# KiCad board pcb.kicad_pcb
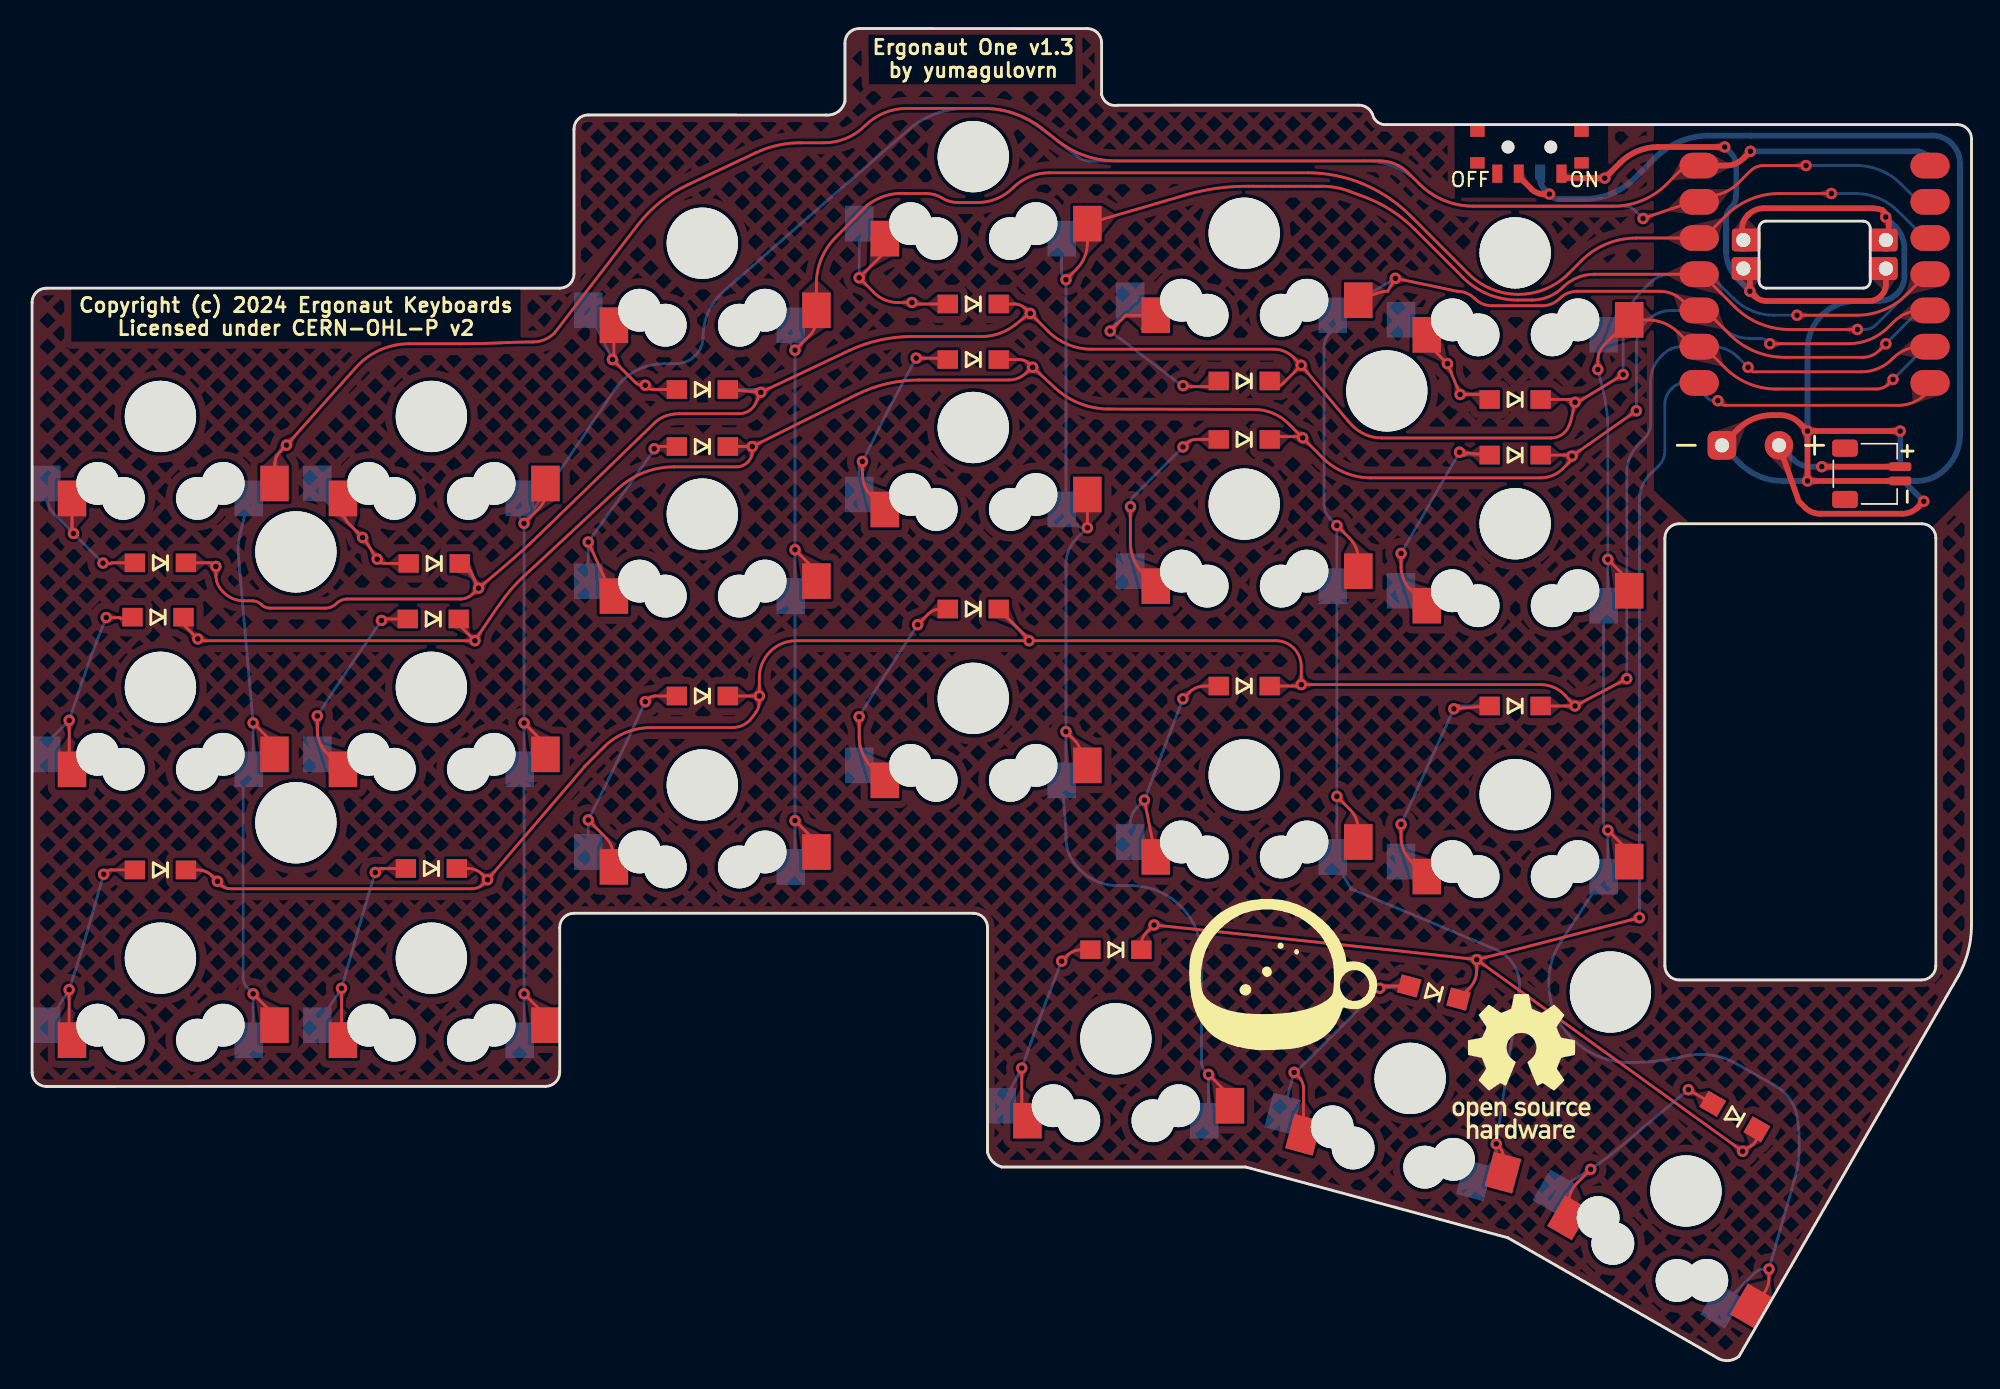
[diagram p0: board, top side]
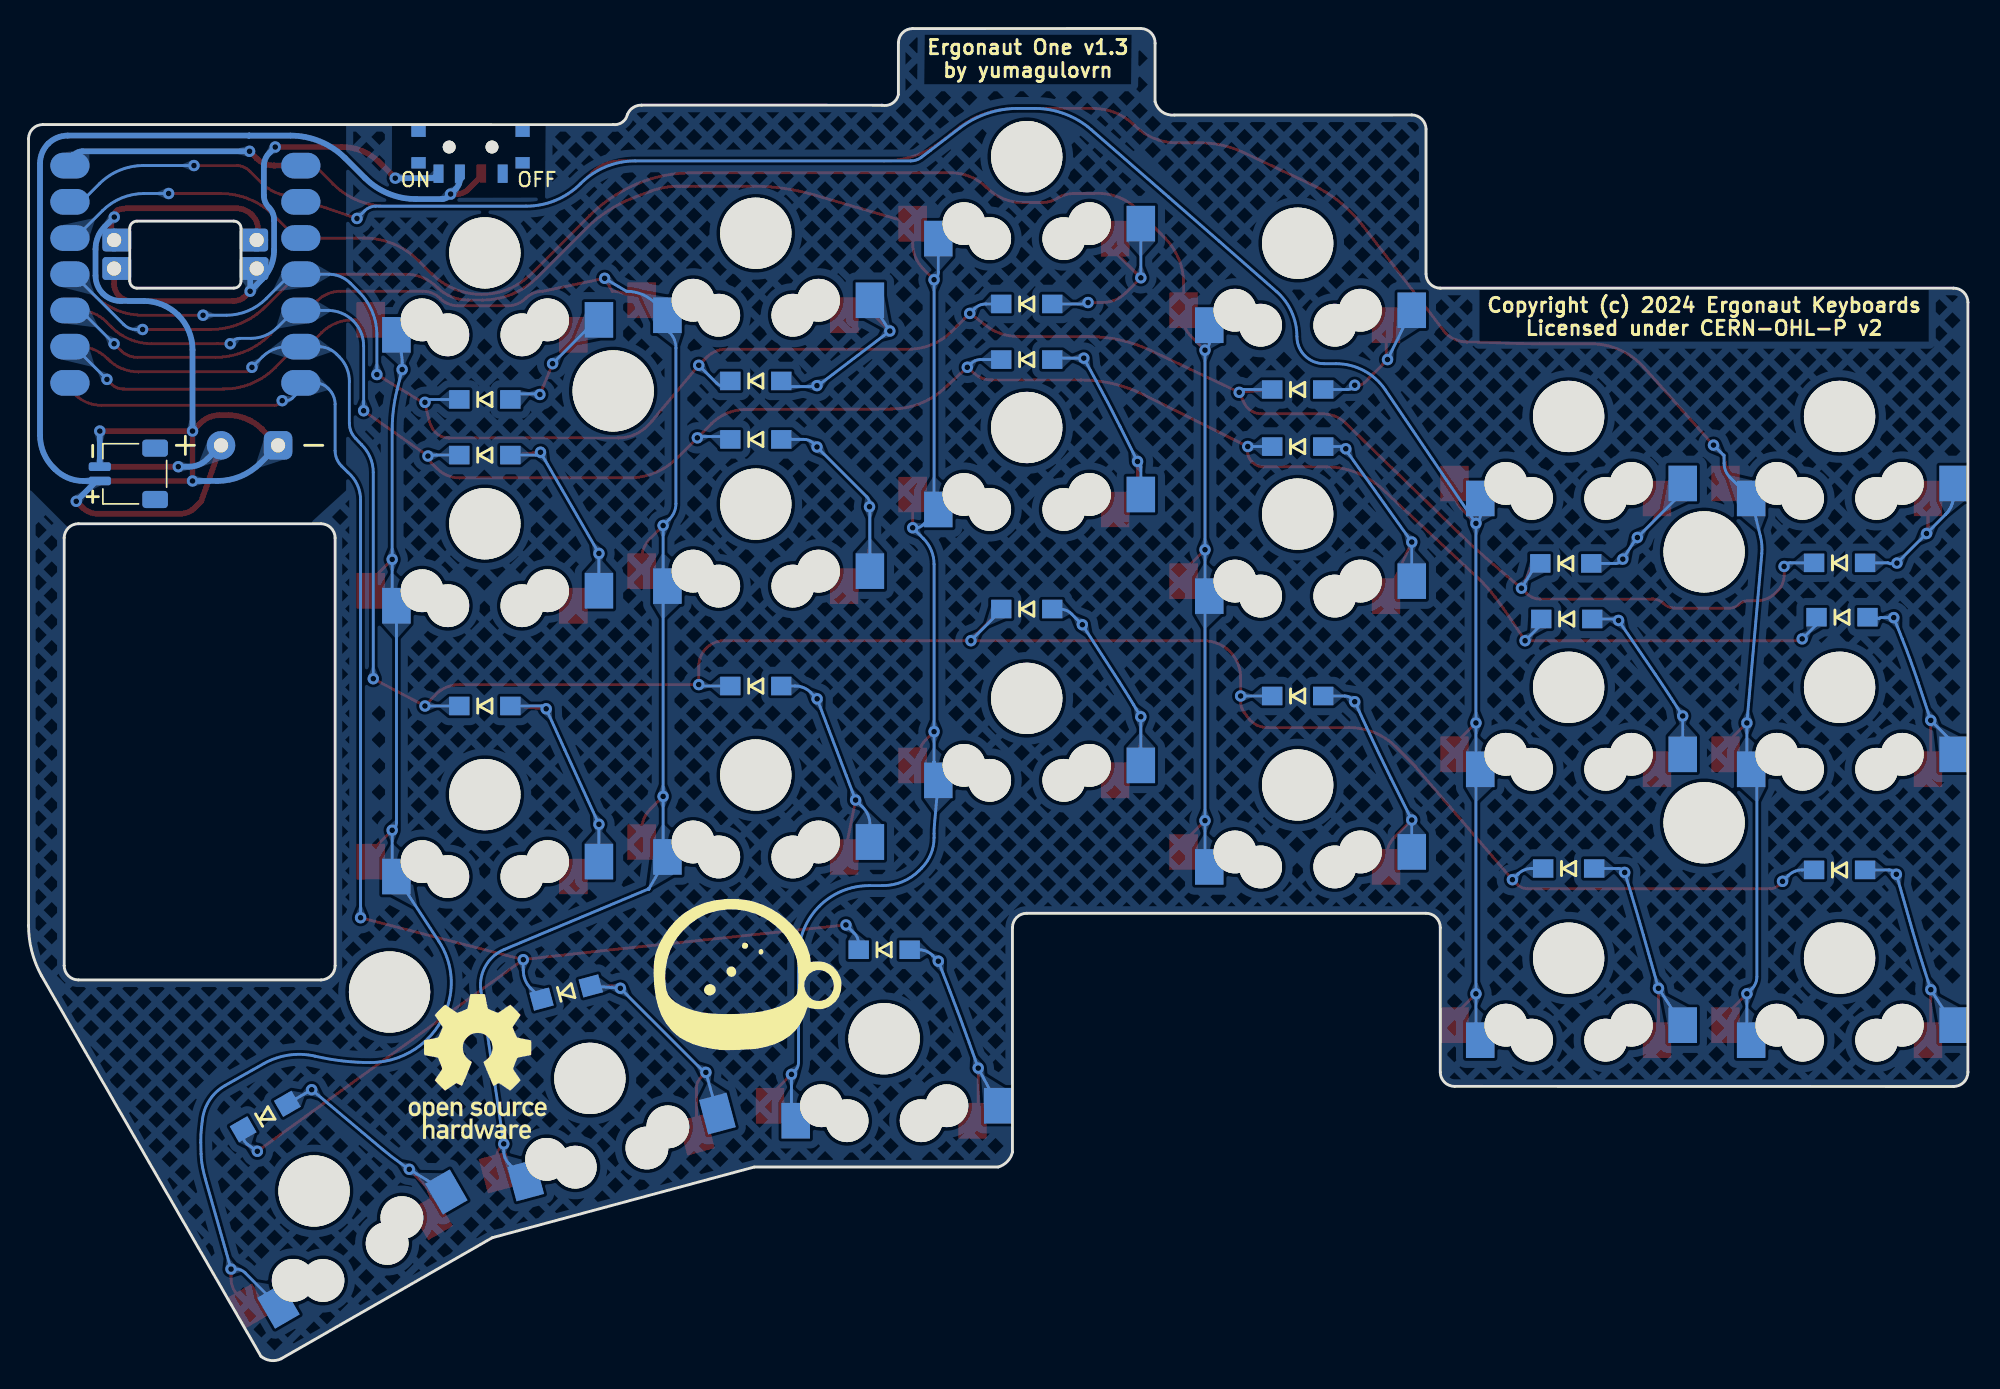
[diagram p1: board, bottom side, seen from below]

Outline 136 x 93.43 mm; copper layers: Top, Bottom. Coordinates in mm from the lower left corner of the outline.
Outline path: 0,74.22 arc(0.29,74.93) 1,75.22 37,75.22 arc(37.71,75.51) 38,76.22 38,86.37 arc(38.29,87.08) 39,87.37 55.66,87.36 arc(56.51,87.59) 57,88.3 57,92.4 arc(57.28,93.13) 58,93.43 74,93.43 arc(74.71,93.14) 75,92.43 75,88.8 arc(75.42,88.19) 76.15,88.05 93,88.06 arc(93.6,87.89) 94,87.41 arc(94.37,86.86) 95.01,86.69 135,86.69 arc(135.71,86.4) 136,85.69 136,30.51 arc(135.77,28.7) 135.1,27.01 119.7,0.29 arc(119.03,0) 118.3,0.11 103.48,8.61 85.1,13.57 68,13.57 arc(67.36,13.96) 67,14.61 67,30.37 arc(66.71,31.08) 66,31.37 38,31.37 arc(37.29,31.08) 37,30.37 37,20.23 arc(36.71,19.52) 36,19.23 1,19.22 arc(0.29,19.51) 0,20.22 0,74.22 ; 114.5,57.69 arc(114.79,58.4) 115.5,58.69 132.5,58.69 arc(133.21,58.4) 133.5,57.69 133.5,27.69 arc(133.21,26.99) 132.5,26.69 115.5,26.69 arc(114.79,26.99) 114.5,27.69 114.5,57.69 ; 121.1,79.42 arc(121.25,79.77) 121.6,79.92 128.4,79.92 arc(128.75,79.77) 128.9,79.42 128.9,75.72 arc(128.75,75.37) 128.4,75.22 121.6,75.22 arc(121.25,75.37) 121.1,75.72 121.1,79.42
Stack: Top 0.035mm / dielectric 1.51mm FR4 er 4.5 / Bottom 0.035mm

## Placement (name value [footprint] x y rotation side)
D1  D_Small  [Diode_TH_SMD_DUAL]  9 55.95 180 bottom
D2  D_Small  [Diode_TH_SMD_DUAL]  28.2 55.91 180 bottom
D3  D_Small  [Diode_TH_SMD_DUAL]  47 68.11 180 bottom
D4  D_Small  [Diode_TH_SMD_DUAL]  66 74.11 180 bottom
D5  D_Small  [Diode_TH_SMD_DUAL]  85 68.71 180 bottom
D6  D_Small  [Diode_TH_SMD_DUAL]  104 67.41 180 bottom
D7  D_Small  [Diode_TH_SMD_DUAL]  8.83 52.14 180 bottom
D8  D_Small  [Diode_TH_SMD_DUAL]  28.13 52.01 180 bottom
D9  D_Small  [Diode_TH_SMD_DUAL]  47 64.11 180 bottom
D10  D_Small  [Diode_TH_SMD_DUAL]  66 70.21 180 bottom
D11  D_Small  [Diode_TH_SMD_DUAL]  85 64.61 180 bottom
D12  D_Small  [Diode_TH_SMD_DUAL]  104 63.51 180 bottom
D13  D_Small  [Diode_TH_SMD_DUAL]  9 34.41 180 bottom
D14  D_Small  [Diode_TH_SMD_DUAL]  28 34.51 180 bottom
D15  D_Small  [Diode_TH_SMD_DUAL]  47 46.61 180 bottom
D16  D_Small  [Diode_TH_SMD_DUAL]  66 52.71 180 bottom
D17  D_Small  [Diode_TH_SMD_DUAL]  85 47.31 180 bottom
D18  D_Small  [Diode_TH_SMD_DUAL]  104 45.91 180 bottom
D19  D_Small  [Diode_TH_SMD_DUAL]  76 28.81 180 bottom
D20  D_Small  [Diode_TH_SMD_DUAL]  98.3 25.81 165 bottom
D21  D_Small  [Diode_TH_SMD_DUAL]  119.4 17.11 150 bottom
G***  LOGO  [OSHW-logo]  104.44 20.62 0 top
G***#2  LOGO  [en_logo]  86.65 27.31 0 top
G***#3  LOGO  [OSHW-logo]  104.51 20.62 180 bottom
H1  MountingHole  [Hole_5.7mm]  18.5 56.72 0 top
H2  MountingHole  [Hole_5.7mm]  18.5 37.72 0 top
H3  MountingHole  [Hole_5.7mm]  95 68.01 0 top
H4  MountingHole  [Hole_5.7mm]  110.68 25.85 0 top
J1  Conn_01x02_Pin  [Battery]  120.5 64.19 180 top
J2  BAT  [JST_SH_Battery_DUAL]  129 62.19 270 top
PWR1  SW_SPDT  [MSK-12C02_DUAL]  105 86.39 180 bottom
SW1  SW_SPST  [KS-27_KS-33_Hotswap_1U_DUAL]  9 66.22 0 top
SW2  SW_SPST  [KS-27_KS-33_Hotswap_1U_DUAL]  28 66.22 0 top
SW3  SW_SPST  [KS-27_KS-33_Hotswap_1U_DUAL]  47 78.37 0 top
SW4  SW_SPST  [KS-27_KS-33_Hotswap_1U_DUAL]  66 84.44 0 top
SW5  SW_SPST  [KS-27_KS-33_Hotswap_1U_DUAL]  85 79.07 0 top
SW6  SW_SPST  [KS-27_KS-33_Hotswap_1U_DUAL]  104 77.69 0 top
SW7  SW_SPST  [KS-27_KS-33_Hotswap_1U_DUAL]  9 47.22 0 top
SW8  SW_SPST  [KS-27_KS-33_Hotswap_1U_DUAL]  28 47.22 0 top
SW9  SW_SPST  [KS-27_KS-33_Hotswap_1U_DUAL]  47 59.37 0 top
SW10  SW_SPST  [KS-27_KS-33_Hotswap_1U_DUAL]  66 65.44 0 top
SW11  SW_SPST  [KS-27_KS-33_Hotswap_1U_DUAL]  85 60.07 0 top
SW12  SW_SPST  [KS-27_KS-33_Hotswap_1U_DUAL]  104 58.69 0 top
SW13  SW_SPST  [KS-27_KS-33_Hotswap_1U_DUAL]  9 28.22 0 top
SW14  SW_SPST  [KS-27_KS-33_Hotswap_1U_DUAL]  28 28.22 0 top
SW15  SW_SPST  [KS-27_KS-33_Hotswap_1U_DUAL]  47 40.37 0 top
SW16  SW_SPST  [KS-27_KS-33_Hotswap_1U_DUAL]  66 46.44 0 top
SW17  SW_SPST  [KS-27_KS-33_Hotswap_1U_DUAL]  85 41.07 0 top
SW18  SW_SPST  [KS-27_KS-33_Hotswap_1U_DUAL]  104 39.69 0 top
SW19  SW_SPST  [KS-27_KS-33_Hotswap_1U_DUAL]  76 22.57 0 top
SW20  SW_SPST  [KS-27_KS-33_Hotswap_1U_DUAL]  96.64 19.79 345 top
SW21  SW_SPST  [KS-27_KS-33_Hotswap_1U_DUAL]  115.98 11.89 330 top
U1  XIAO_nRF52840  [XIAO_nRF52840_DUAL]  125 86.69 180 bottom

## Library data of the parts
D1-D21 = -: Description: Diode, small symbol; Sim.Device: D; Sim.Pins: 1=K 2=A; ki_fp_filters: TO-???* *_Diode_* *SingleDiode* D_*
H1-H4 = -: Description: Mounting Hole without connection; ki_fp_filters: MountingHole*
J1 J2 = -: Description: Generic connector, single row, 01x02, script generated; ki_fp_filters: Connector*:*_1x??_*
PWR1 = -: Description: Switch, single pole double throw
SW1-SW21 = -: Description: Single Pole Single Throw (SPST) switch

## Footprints (pads in the part's own frame, mm; a bottom-side part is the same pattern mirrored in y, then rotated)
Battery
  round 2 hole 1: 1(-2,0)
  rrect 2x2 hole 1: 2(2,0)
Diode_TH_SMD_DUAL
  rect 1.425x1.3 smd far side: 1(-1.788,0) 2(1.788,0)
  rect 1.425x1.3 smd: 1(-1.788,0) 2(1.788,0)
Hole_5.7mm
  round 5.7 hole 5.7 unplated: (0,0)
JST_SH_Battery_DUAL
  rrect 0.6x1.55 smd: 1(-0.5,2) 2(0.5,2)
  rrect 0.6x1.55 smd far side: 1(0.5,2) 2(-0.5,2)
  rrect 1.2x1.8 smd: MP(-1.8,-1.875) MP(1.8,-1.875)
  rrect 1.2x1.8 smd far side: MP(-1.8,-1.875) MP(1.8,-1.875)
KS-27_KS-33_Hotswap_1U_DUAL
  round 3 hole 3 unplated: (-4.4,-4.7) (-2.6,-5.75) (2.6,-5.75) (4.4,-4.7)
  round 5 hole 5 unplated: (0,0)
  rect 2x2.5 smd far side: 1(-8,-4.7) 2(6.2,-5.75)
  rect 2x2.5 smd: 1(-6.2,-5.75) 2(8,-4.7)
MSK-12C02_DUAL
  rect 1x0.8 smd far side: (-3.65,-2.38) (-3.65,-0.16) (3.65,-2.38) (3.65,-0.16)
  rect 1x0.8 smd: (-3.65,-2.38) (-3.65,-0.16) (3.65,-2.38) (3.65,-0.16)
  round 0.9 hole 0.9 unplated: (-1.5,-1.27) (1.5,-1.27)
  rect 0.7x1.28 smd far side: 1(-2.25,-3.14) 3(2.25,-3.14)
  rect 0.7x1.28 smd: 1(-2.25,-3.14) 3(2.25,-3.14)
  rrect 0.7x1.28 smd: 2(-0.75,-3.14)
  rrect 0.7x1.28 smd far side: 2(0.75,-3.14)
XIAO_nRF52840_DUAL
  oval 2.75x1.8 smd: 1(-8.57,-2.88) 2(-8.57,-5.42) 3(-8.57,-7.96) 4(-8.57,-10.5) 5(-8.57,-13.04) 6(-8.57,-15.58) 7(-8.57,-18.12) 8(8.57,-18.12) 9(8.57,-15.58) 10(8.57,-13.04) 11(8.57,-10.5) 12(8.57,-7.96) 13(8.57,-5.42) 14(8.57,-2.88)
  oval 2.75x1.8 smd far side: 1(8.57,-2.88) 2(8.57,-5.42) 3(8.57,-7.96) 4(8.57,-10.5) 5(8.57,-13.04) 6(8.57,-15.58) 7(8.57,-18.12) 8(-8.57,-18.12) 9(-8.57,-15.58) 10(-8.57,-13.04) 11(-8.57,-10.5) 12(-8.57,-7.96) 13(-8.57,-5.42) 14(-8.57,-2.88)
  round 1.6 hole 1: 19(-5,-10.1) 19(5,-10.1) 20(-5,-8.1) 20(5,-8.1)
  rrect 2.019x1.6 smd far side: 19(-4.809,-10.1) 19(4.809,-10.1) 20(-4.809,-8.1)
  rrect 2.019x1.6 smd: 19(-4.809,-10.1) 19(4.809,-10.1) 20(-4.809,-8.1)
  rrect 2x1.6 smd far side: 20(4.8,-8.1)
  rrect 2x1.6 smd: 20(4.8,-8.1)

## Nets
+3V3: U1.12
+5V: U1.14
GND: U1.13
B+: PWR1.1 U1.19
B-: J1.2 J2.2 U1.20
C0: SW1.2 SW7.2 SW13.2 U1.1
C1: SW2.2 SW8.2 SW14.2 U1.2
C2: SW3.2 SW9.2 SW15.2 U1.3
C3: SW4.2 SW10.2 SW16.2 SW19.2 U1.4
C4: SW5.2 SW11.2 SW17.2 SW20.2 U1.5
C5: SW6.2 SW12.2 SW18.2 SW21.2 U1.6
R0: D1.1 D2.1 D3.1 D4.1 D5.1 D6.1 U1.11
R1: D7.1 D8.1 D9.1 D10.1 D11.1 D12.1 U1.10
R2: D13.1 D14.1 D15.1 D16.1 D17.1 D18.1 U1.9
R3: D19.1 D20.1 D21.1 U1.8
Net-(D1-A): D1.2 SW1.1
Net-(D2-A): D2.2 SW2.1
Net-(D3-A): D3.2 SW3.1
Net-(D4-A): D4.2 SW4.1
Net-(D5-A): D5.2 SW5.1
Net-(D6-A): D6.2 SW6.1
Net-(D7-A): D7.2 SW7.1
Net-(D8-A): D8.2 SW8.1
Net-(D9-A): D9.2 SW9.1
Net-(D10-A): D10.2 SW10.1
Net-(D11-A): D11.2 SW11.1
Net-(D12-A): D12.2 SW12.1
Net-(D13-A): D13.2 SW13.1
Net-(D14-A): D14.2 SW14.1
Net-(D15-A): D15.2 SW15.1
Net-(D16-A): D16.2 SW16.1
Net-(D17-A): D17.2 SW17.1
Net-(D18-A): D18.2 SW18.1
Net-(D19-A): D19.2 SW19.1
Net-(D20-A): D20.2 SW20.1
Net-(D21-A): D21.2 SW21.1
Net-(J1-Pin_1): J1.1 J2.1 PWR1.2

Pads without a net: J2 MP; PWR1 3; U1 7

## Via types
v1: diameter 0.8, hole 0.4, Top to Bottom, 109 vias

## Routing (per net, layer and track width the routed paths; a pad name or vN(x,y) marks a point on that pad's centre or on a via; arc(x,y) is an arc through that point)
B+: length 40
  Top w0.4: 120.46,76.13 v1(120.46,75) 120.8,74.66 arc(121.18,74.41) 121.62,74.32 128.81,74.32 arc(129.26,74.41) 129.65,74.67 arc(129.91,75.06) 130,75.51 130,76.2 ; PWR1.1 107.41,83.09 arc(107.58,82.98) 107.79,82.94 v1(110.28,82.94) 111.38,84.03 arc(112.59,84.84) 114.01,85.12 v1(118.7,85.12)
  Bottom w0.4: v1(110.28,82.94) 107.79,82.94 arc(107.58,82.98) 107.41,83.09 PWR1.1 ; 120.46,76.13 v1(120.46,75) 119.62,75.84 arc(119,76.77) 118.78,77.87 118.78,80.01 arc(118.87,80.48) 119.14,80.88 arc(119.41,81.28) 119.5,81.75 119.5,83.75 arc(119.4,84.28) 119.1,84.72 v1(118.7,85.12)
B-: length 66.8
  Top w0.4: v1(124.5,65.19) v1(124.5,61.69) J2.2 ; v1(124.5,65.19) v1(131,65.19) ; v1(124.5,65.19) 123.94,65.75 arc(123.32,66.17) 122.59,66.31 122,66.31 arc(120.72,66.06) 119.64,65.33 J1.2 ; 119.9,78.72 119.9,79.32 arc(120.01,79.87) 120.32,80.34 120.35,80.37 arc(120.85,80.7) 121.44,80.82 129.01,80.82 arc(129.38,80.79) 129.75,80.7 129.9,80.55 arc(129.96,80.45) 129.99,80.34 v1(129.99,80.21) 130.09,80.1 arc(130.17,79.99) 130.2,79.85 130.2,78.42
  Bottom w0.4: v1(129.99,80.21) 130.64,79.55 arc(131.13,78.82) 131.3,77.96 131.3,76.09 arc(131.17,75.41) 130.78,74.84 arc(130.21,74.45) 129.53,74.32 127.91,74.32 arc(126.61,74.06) 125.5,73.32 arc(124.76,72.21) 124.5,70.91 v1(124.5,65.19) ; v1(124.5,61.69) 122.75,61.69 arc(121.13,62.02) 119.76,62.93 J1.2 ; v1(131,65.19) J2.2
C0: length 175.5
  Top w0.2: 116.05,83.94 114.63,82.52 arc(112.92,81.37) 110.89,80.97 101.03,80.97 arc(99.01,81.37) 97.29,82.52 96.48,83.33 arc(95.58,83.93) 94.52,84.14 76,84.14 arc(73.85,84.51) 71.93,85.55 70.82,86.42 arc(68.9,87.47) 66.75,87.83 61.33,87.83 arc(59.76,87.51) 58.42,86.62 arc(57.09,85.73) 55.51,85.41 53.87,85.41 arc(52.27,85.24) 50.75,84.72 45.97,82.46 arc(44.05,81.26) 42.47,79.65 36.63,72.07 arc(35.94,71.61) 35.12,71.44 arc(34.23,71.43) 33.34,71.4 32.83,71.38 arc(31.43,71.33) 30.04,71.32 26.44,71.32 arc(24.39,70.88) 22.7,69.65 17.86,64.22 arc(17.86,64.22) 17.85,64.21 17.85,64.21 arc(17.85,64.21) 17.85,64.21 17.85,64.21 arc(17.85,64.21) 17.85,64.21 arc(17.85,64.21) 17.85,64.21 17.84,64.21 arc(17.84,64.21) 17.84,64.21 v1(17.84,64.21) 17.42,63.79 arc(17.11,63.32) 17,62.77 SW1.2 ; v1(15.5,25.72) 16.75,24.47 ; v1(15.5,44.72) 17,43.22
  Top w0.4: v1(120.5,84.82) 120,84.32 arc(119.45,83.95) 118.79,83.82 116.82,83.82
  Bottom w0.2: 14.8,40.79 14.8,26.91 arc(14.89,26.46) 15.15,26.07 v1(15.5,25.72) 15.5,22.98 ; 15.5,41.77 v1(15.5,44.72) 14.45,56.59 arc(14.45,57.21) 14.55,57.81 arc(14.7,58.41) 14.85,59.01 SW1.2 16.7,61.97 arc(17,62.41) 17.1,62.94 17.1,63.49 arc(17.11,63.5) 17.12,63.51 arc(17.14,63.51) 17.16,63.53 v1(17.84,64.21) 17.78,64.21 ; 17.78,64.21 arc(17.73,64.2) 17.68,64.17 arc(17.73,64.2) 17.78,64.21
  Bottom w0.4: 132.85,84.54 132.84,84.55 ; 132.83,84.55 132.83,84.55 ; 132.83,84.55 132.83,84.55 ; 132.83,84.55 arc(132.83,84.55) 132.83,84.55 ; 132.83,84.55 arc(132.83,84.55) 132.83,84.55 132.83,84.55 arc(132.83,84.55) 132.83,84.55 arc(132.83,84.55) 132.83,84.55 132.84,84.55 ; 132.85,84.54 132.85,84.53 ; 132.82,84.57 132.82,84.57 ; 132.82,84.57 132.82,84.57 ; 132.82,84.57 arc(132.82,84.57) 132.82,84.57 132.83,84.56 ; 132.82,84.57 arc(132.82,84.57) 132.82,84.57 ; 132.86,84.52 132.86,84.52 ; 132.86,84.52 132.86,84.52 ; 132.86,84.52 arc(132.86,84.52) 132.86,84.52 132.85,84.53 arc(132.85,84.53) 132.85,84.53 ; 132.86,84.52 132.87,84.52 ; 132.84,84.55 132.84,84.55 ; 132.84,84.55 132.84,84.55 ; 132.84,84.55 arc(132.84,84.55) 132.84,84.55 ; 132.81,84.57 132.82,84.57 arc(132.81,84.57) 132.81,84.57 ; 132.81,84.57 132.81,84.57 ; 132.81,84.57 132.81,84.57 ; 132.81,84.57 arc(132.81,84.57) 132.81,84.57 ; 132.85,84.53 132.85,84.53 ; 132.85,84.53 arc(132.85,84.53) 132.85,84.53 ; 132.85,84.53 arc(132.85,84.53) 132.85,84.53 ; v1(120.5,84.82) 132.21,84.82 arc(132.54,84.75) 132.81,84.57
C1: length 158.1
  Top w0.2: v1(112.97,80.11) 113.67,80.35 arc(114.37,80.59) 115.07,80.82 U1.2 ; v1(124.4,83.82) 124.4,83.82 arc(124.4,83.82) 124.39,83.82 121.33,83.82 arc(120.87,83.69) 120.48,83.42 119.64,82.59 arc(118.63,81.91) 117.44,81.68 ; v1(34.5,58.72) 35.54,59.76 arc(35.88,60.27) 36,60.87 ; v1(34.5,25.72) 35.75,24.47 ; v1(34.5,44.72) 36,43.22
  Bottom w0.2: 34.5,40.96 v1(34.5,25.72) 34.5,22.98 ; v1(34.5,58.72) 40.86,68.09 arc(42.36,69.44) 44.31,69.92 45.15,69.92 arc(46.5,70.48) 47.06,71.83 arc(47.43,73.56) 48.49,74.99 52.53,78.54 arc(54.3,80.08) 56.06,81.62 61.47,86.34 arc(63.33,87.44) 65.45,87.83 66.62,87.83 arc(68.78,87.47) 70.71,86.44 72.77,84.87 arc(73.09,84.63) 73.41,84.39 arc(73.75,84.21) 74.12,84.14 93.45,84.14 arc(95.53,83.73) 97.28,82.56 arc(99.04,81.38) 101.12,80.97 111.66,80.97 arc(112.07,80.89) 112.42,80.65 112.64,80.44 arc(112.75,80.36) 112.89,80.33 113.03,80.33 ; v1(34.5,58.72) 34.35,58.87 arc(34.24,59.04) 34.2,59.23 SW2.2 ; v1(34.5,58.72) v1(34.5,44.72) 34.5,41.77 ; v1(124.4,83.82) 127.95,83.82 arc(129.61,83.49) 131.02,82.55 131.84,81.73 arc(132.34,81.39) 132.93,81.27
C2: length 132.3
  Top w0.2: 117.49,79.01 118.77,80.3 arc(120.5,81.45) 122.54,81.86 v1(126.18,81.86) ; U1.3 112.49,78.73 arc(110.41,78.32) 108.64,77.14 107.74,76.24 arc(106.13,75.16) 104.23,74.78 arc(102.33,75.16) 100.72,76.24 96.68,80.28 arc(95.13,81.56) 93.37,82.51 arc(91.46,83.11) 89.47,83.31 71.32,83.31 arc(69.96,83.04) 68.8,82.27 arc(67.64,81.5) 66.28,81.22 64.93,81.22 arc(64.35,81.3) 63.82,81.54 arc(63.29,81.78) 62.71,81.86 61.34,81.86 arc(59.67,81.64) 58.55,81.02 56.31,78.73 arc(55.34,77.26) 55,75.54 SW3.2 ; v1(53.5,56.87) 55,55.37 ; v1(53.5,37.87) 55,36.37 ; v1(53.5,70.87) 54.54,71.91 arc(54.88,72.42) 55,73.02
  Bottom w0.2: 132.43,79.03 130.82,80.65 arc(129.47,81.54) 127.89,81.86 v1(126.18,81.86) ; 53.5,34.92 v1(53.5,37.87) 53.5,53.11 ; 53.5,53.92 v1(53.5,56.87) v1(53.5,70.87) 53.35,71.02 arc(53.24,71.19) 53.2,71.38 SW3.2
C3: length 142
  Top w0.2: v1(72.5,44.11) 73.12,43.49 arc(73.44,43.01) 73.55,42.45 ; v1(82.5,20.07) 83.75,18.82 ; 117.11,76.19 119.39,73.91 arc(121.15,72.73) 123.24,72.32 v1(128,72.32) ; U1.4 109.54,76.19 arc(108.36,75.96) 107.36,75.29 arc(106.35,74.62) 105.17,74.38 104.17,74.38 arc(102.09,74.8) 100.33,75.98 96.94,79.37 arc(95.31,80.68) 93.43,81.62 92.36,82.02 arc(91.42,82.28) 90.45,82.37 88.74,82.37 86.44,82.37 85.16,82.37 arc(83.02,82.22) 80.92,81.76 SW4.2 74,78.37 arc(73.81,77.39) 73.25,76.56 v1(72.5,75.81) ; v1(74,58.41) 74,60.4
  Bottom w0.2: 72.5,41.85 v1(72.5,44.11) 72.5,55.85 arc(72.69,56.83) 73.25,57.66 v1(74,58.41) 73.74,58.41 arc(73.5,58.46) 73.3,58.59 SW10.2 ; SW16.2 72.47,37.56 arc(72.49,37.26) 72.5,36.96 72.5,36.66 arc(72.73,35.51) 73.38,34.53 73.55,34.36 arc(74.71,33.58) 76.08,33.31 77.05,33.31 arc(78.94,32.93) 80.55,31.86 arc(81.62,30.25) 82,28.36 82,20.92 arc(82.06,20.6) 82.25,20.32 v1(82.5,20.07) 82.5,17.33 ; v1(128,72.32) 128.49,72.32 arc(128.94,72.41) 129.32,72.66 132.59,75.94 ; SW4.2 72.2,76.32 arc(72.24,76.13) 72.35,75.96 v1(72.5,75.81) 72.5,59.99
C4: length 123
  Top w0.2: v1(102.67,15.19) 102.91,14.96 arc(103.08,14.7) 103.15,14.39 SW20.2 ; v1(91.5,58.57) 92.4,57.67 arc(92.84,57.01) 93,56.22 ; SW5.2 94.32,74.87 arc(94.69,74.97) 95.06,75 v1(95.6,75.91) 99.93,75 arc(100.59,74.87) 101.16,74.49 arc(101.72,74.12) 102.38,73.98 105.9,73.98 arc(106.56,74.12) 107.13,74.49 arc(107.69,74.87) 108.35,75 114.13,75 arc(115.01,74.83) 115.76,74.33 U1.5 ; v1(130,71.32) 129.52,70.84 arc(129,70.49) 128.37,70.37 122.9,70.37 arc(120.82,70.78) 119.06,71.96 117.36,73.65 ; v1(91.5,39.57) 92.4,38.67 arc(92.84,38.01) 93,37.22
  Bottom w0.2: 91.44,34.91 92.49,33.09 arc(92.5,33.08) 92.5,33.08 92.54,33.06 102.65,28.82 arc(103.96,27.66) 104.28,25.94 v1(102.67,15.19) 102.67,14.68 arc(102.58,14.2) 102.31,13.8 SW20.2 ; 91.5,35.83 v1(91.5,39.57) 91.5,54.81 ; v1(130,71.32) 131.9,73.22 arc(132.38,73.54) 132.95,73.65 ; 91.28,72.34 91.05,72.12 arc(90.72,71.62) 90.6,71.03 90.6,60.11 arc(90.72,59.52) 91.05,59.02 v1(91.5,58.57) 91.5,54.62 ; v1(95.6,75.91) 94.07,75 arc(92.97,74.78) 92.04,74.16
C5: length 115.4
  Top w0.2: v1(110.5,56.19) 112,54.69 ; 116.16,71.39 115.45,72.09 arc(114.45,72.76) 113.27,72.99 SW6.2 110.25,71.25 arc(109.92,70.75) 109.8,70.15 v1(109.8,69.51) ; v1(130.5,68.82) 130.16,68.48 arc(129.79,68.23) 129.34,68.14 122.31,68.14 arc(120.37,68.53) 118.72,69.63 117.24,71.11 ; v1(121.8,6.41) 121.8,5.74 arc(121.68,5.12) 121.32,4.59 ; v1(110.5,37.19) 112,35.69
  Bottom w0.2: v1(130.5,68.82) 132.52,70.84 ; 110.5,53.31 v1(110.5,56.19) 110.5,65.27 arc(110.41,66.7) 110.15,68.11 v1(109.8,69.51) 109.8,70.01 arc(109.83,70.51) 109.93,70.99 ; SW18.2 107.21,29.38 arc(106.44,27.42) 106.49,25.31 106.49,25.3 arc(108.49,22.13) 112.03,20.9 arc(113.97,21.01) 115.89,21.34 arc(117.74,21.42) 119.5,20.83 122.21,19.29 arc(123.3,18.27) 123.81,16.86 123.87,16.34 arc(123.91,15.82) 123.92,15.3 123.9,14.49 arc(123.87,14.04) 123.81,13.6 arc(123.71,13.15) 123.6,12.72 v1(121.8,6.41) 121.44,6.41 arc(121.1,6.34) 120.81,6.15 SW21.2 ; SW12.2 110.2,37.71 arc(110.24,37.51) 110.35,37.34 v1(110.5,37.19) 110.5,34.24
R0: length 168.8
  Top w0.2: v1(123.76,73.32) 127.97,73.32 arc(129.85,73.69) 131.44,74.76 132.63,75.95 ; v1(70,73.44) 69.67,73.78 arc(69.3,74.02) 68.86,74.11 D4.1 ; v1(70,73.44) 71.25,72.19 arc(72.64,71.26) 74.28,70.94 87.08,70.94 arc(87.81,70.79) 88.44,70.37 v1(89,69.81) ; v1(70,73.44) 69.93,73.38 ; v1(70,73.44) 69.97,73.44 arc(69.95,73.44) 69.93,73.43 68.9,72.63 arc(67.81,72.03) 66.59,71.83 61.69,71.83 arc(59.43,71.58) 57.28,70.84 v1(51.1,67.91) ; v1(51.1,67.91) 50.76,68.11 arc(50.89,68.08) 51,68.01 ; v1(51.1,67.91) 50.75,67.16 arc(50.27,66.61) 49.57,66.41 45.37,66.41 arc(44.9,66.37) 44.45,66.26 arc(44.03,66.07) 43.67,65.78 34.89,57.27 arc(33.71,56.22) 32.51,55.19 v1(31.31,54.17) ; v1(51.1,67.91) D3.1 ; v1(31.31,54.17) 30.93,53.79 arc(30.5,53.51) 30.01,53.41 22.1,53.41 arc(21.69,53.33) 21.34,53.09 arc(20.99,52.86) 20.57,52.78 16.68,52.78 arc(16.35,52.84) 16.07,53.03 arc(15.79,53.22) 15.45,53.28 14.84,53.28 arc(14.1,53.43) 13.46,53.86 13.34,53.98 arc(13.01,54.48) 12.89,55.06 v1(12.89,55.7) 12.77,55.82 arc(12.62,55.92) 12.46,55.95 D1.1 ; v1(31.31,54.17) 30.37,56.2 ; v1(89,69.81) 87.75,68.56 arc(87.47,68.38) 87.14,68.31 ; v1(89,69.81) 92.27,65.91 92.55,65.61 arc(93.5,64.95) 94.63,64.71 106.52,64.71 arc(107.29,64.95) 107.79,65.6 107.89,65.86 108.18,67.06 ; D6.1 107.76,67.41 arc(107.89,67.38) 108,67.31 108.06,67.25 arc(108.1,67.22) 108.15,67.21 v1(108.2,67.21) 108.2,67.16 ; 108.2,67.16 arc(108.21,67.14) 108.24,67.14 ; 108.2,67.16 arc(108.2,67.11) 108.18,67.06 ; 108.24,67.14 v1(111.57,69.16) ; 108.24,67.14 arc(108.21,67.11) 108.18,67.06
  Bottom w0.2: U1.11 114.94,76.19 arc(114.13,76.03) 113.44,75.57 112.82,74.95 arc(111.89,73.57) 111.57,71.94 v1(111.57,69.16) ; v1(89,69.81) 87.75,68.56 arc(87.47,68.38) 87.14,68.31 ; v1(123.76,73.32) 122.13,73.32 arc(120.62,73.62) 119.34,74.47 117.97,75.85 ; D4.1 68.86,74.11 arc(69.3,74.02) 69.67,73.78 v1(70,73.44) ; v1(51.1,67.91) 51,68.01 arc(50.89,68.08) 50.76,68.11 D3.1 ; D1.1 12.46,55.95 arc(12.62,55.92) 12.77,55.82 v1(12.89,55.7) ; v1(31.31,54.17) 30.05,56.2 ; 107.86,67.41 D6.1
R1: length 162.9
  Top w0.2: v1(50.5,64.11) 50.5,63.72 arc(50.43,63.36) 50.22,63.06 50.17,63.01 arc(49.81,62.77) 49.39,62.68 45,62.68 arc(42.89,62.28) 41.08,61.14 34.42,54.95 arc(33.75,54.27) 33.15,53.54 arc(32.59,52.77) 32.05,51.98 v1(31.05,50.49) ; v1(50.5,64.11) 57.81,67.75 arc(59.94,68.52) 62.19,68.78 68.48,68.78 arc(69.11,68.89) 69.66,69.22 v1(70.17,69.67) ; v1(50.5,64.11) D9.1 ; v1(70.17,69.67) 71.76,68.21 arc(73.49,67.12) 75.5,66.74 85.7,66.71 arc(87,66.45) 88.1,65.72 v1(89.1,64.72) ; v1(70.17,69.67) 69.9,69.94 arc(69.6,70.14) 69.24,70.21 D10.1 ; v1(31.05,50.49) 29.92,51.62 ; v1(31.05,50.49) 11.84,50.49 arc(11.76,50.51) 11.69,50.55 v1(11.62,50.62) 10.62,51.62 ; v1(89.1,64.72) 90.5,63.32 arc(92.06,62.28) 93.9,61.91 105.78,61.91 arc(106.63,62.08) 107.35,62.56 107.75,62.96 arc(107.94,63.24) 108,63.56 v1(107.99,63.44) ; v1(89.1,64.72) 89.05,64.77 arc(89,64.8) 88.94,64.81 86.79,64.81 ; v1(89.1,64.72) 88.99,64.72 ; v1(107.99,63.44) v1(112.5,66.62) ; v1(107.99,63.44) 107.8,63.48 arc(107.6,63.5) 107.4,63.51 D12.1 ; v1(121.86,71.32) 122.67,71.32 arc(122.68,71.32) 122.7,71.33 122.71,71.34 arc(122.77,71.33) 122.84,71.32 127.36,71.32 arc(128.88,71.62) 130.18,72.49 130.56,72.87 arc(131.43,73.45) 132.46,73.65
  Bottom w0.2: D10.1 69.24,70.21 arc(69.6,70.14) 69.9,69.94 v1(70.17,69.67) ; v1(50.5,64.11) D9.1 ; 117.36,73.65 118.55,72.46 arc(119.4,71.9) 120.4,71.7 121.21,71.7 arc(121.46,71.65) 121.67,71.51 v1(121.86,71.32) ; v1(112.5,66.62) 112.5,71.16 arc(112.69,72.12) 113.23,72.92 arc(114.04,73.47) 114.99,73.65 116.19,73.65 ; D12.1 107.4,63.51 arc(107.6,63.5) 107.8,63.48 v1(107.99,63.44) ; v1(31.05,50.49) 29.92,51.62 ; 88.99,64.72 v1(89.1,64.72) 89.05,64.77 arc(89,64.8) 88.94,64.81 86.79,64.81 ; v1(11.62,50.62) 10.62,51.62
R2: length 181.1
  Top w0.2: v1(89,47.41) 105.77,47.41 arc(106.72,47.22) 107.5,46.66 v1(108.2,45.91) ; v1(89,47.41) 88.95,47.36 arc(88.89,47.32) 88.83,47.31 D17.1 ; v1(89,47.41) 89,48.7 arc(88.86,49.38) 88.47,49.96 arc(87.89,50.35) 87.21,50.49 53.59,50.49 arc(52.6,50.29) 51.76,49.73 arc(51.2,48.89) 51,47.9 v1(51,46.61) ; v1(51,46.61) 51,46.2 arc(50.94,45.82) 50.76,45.47 50.49,45.1 arc(49.88,44.58) 49.11,44.39 43.39,44.39 arc(41.61,44.04) 40.11,43.04 38.76,41.68 arc(38.75,41.68) 38.75,41.67 arc(38.75,41.66) 38.74,41.65 v1(31.94,33.73) ; v1(51,46.61) D15.1 ; D14.1 30.6,34.51 arc(31.11,34.41) 31.55,34.12 v1(31.94,33.73) ; v1(31.94,33.73) 31.62,33.41 arc(31.27,33.17) 30.86,33.09 13.89,33.09 arc(13.55,33.16) 13.26,33.35 v1(13,33.61) 12.6,34.01 arc(12.16,34.31) 11.63,34.41 D13.1 ; D16.1 69.88,50.62 arc(69.91,50.58) 69.91,50.54 v1(69.91,50.49) ; v1(111.82,47.82) v1(108.2,45.91) ; v1(108.2,45.91) D18.1 ; 120.65,69.35 128.29,69.35 arc(129.45,69.58) 130.42,70.23 130.51,70.31 arc(131.39,70.91) 132.44,71.11
  Bottom w0.2: v1(31.94,33.73) 31.55,34.12 arc(31.11,34.41) 30.6,34.51 D14.1 ; v1(13,33.61) 12.6,34.01 arc(12.16,34.31) 11.63,34.41 D13.1 ; v1(69.91,50.49) 67.82,52.58 ; v1(120.33,69.67) 119.61,70.39 arc(118.81,70.93) 117.86,71.11 ; v1(51,46.61) D15.1 ; v1(89,47.41) 88.95,47.36 arc(88.89,47.32) 88.83,47.31 D17.1 ; v1(108.2,45.91) D18.1 ; v1(111.82,47.82) 111.82,62.28 arc(112.04,63.35) 112.66,64.26 113.08,64.7 arc(113.39,65.18) 113.5,65.74 113.5,68.69 arc(113.68,69.62) 114.21,70.4 114.39,70.58 arc(114.98,70.98) 115.68,71.11
R3: length 126.4
  Top w0.2: D20.1 100.78,26.1 arc(101.17,26.68) 101.31,27.37 v1(101.31,28.12) ; v1(101.31,28.12) v1(119.95,14.68) 120.58,15.07 arc(120.86,15.37) 120.96,15.76 ; v1(101.31,28.12) v1(112.71,31.06) ; v1(101.31,28.12) 99.58,28.32 arc(97.85,28.51) 96.13,28.7 v1(78.68,30.55) 78.09,29.96 arc(77.87,29.63) 77.79,29.24 ; v1(118.21,67.33) 118.37,67.16 arc(118.56,67.04) 118.77,67 130.88,67 arc(131.91,67.2) 132.78,67.79
  Bottom w0.2: D20.1 100.78,26.1 arc(101.17,26.68) 101.31,27.37 v1(101.31,28.12) ; v1(119.95,14.68) 120.63,15.16 arc(120.88,15.44) 120.96,15.81 ; U1.8 117.49,67.51 arc(117.7,67.38) 117.94,67.33 v1(118.21,67.33) ; v1(112.71,31.06) 112.71,60.37 arc(112.95,61.43) 113.6,62.3 114.05,62.75 arc(114.38,63.24) 114.5,63.82 114.5,67.07 arc(114.61,67.65) 114.94,68.13 115.01,68.2 arc(115.42,68.48) 115.91,68.57 ; v1(78.68,30.55) 78.09,29.96 arc(77.87,29.63) 77.79,29.24
Net-(D1-A): length 17.5
  Top w0.2: 2.85,58.06 v1(2.9,58.01) 2.9,58.2 ; 2.85,58.06 arc(2.81,58.12) 2.8,58.18 ; 2.85,58.06 arc(2.81,58.12) 2.8,58.18 ; D1.2 5.62,55.95 arc(5.53,55.93) 5.46,55.89 v1(4.98,55.93) ; 2.8,58.18 2.8,60.46 ; 2.8,58.18 SW1.1
  Bottom w0.2: 1.57,59.34 v1(2.9,58.01) v1(4.98,55.93) 5.46,55.89 arc(5.53,55.93) 5.62,55.95 D1.2 ; 1.57,59.34 arc(1.15,59.97) 1,60.72 arc(1.15,59.97) 1.57,59.34
Net-(D2-A): length 15
  Top w0.2: D2.2 24.71,55.91 arc(24.52,55.95) 24.35,56.06 v1(24.2,56.21) 23.35,57.53 arc(23.3,57.6) 23.24,57.67 v1(23.18,57.73) 22.28,58.63 arc(21.93,59.16) 21.8,59.79
  Bottom w0.2: 20.22,60.69 v1(23.18,57.73) 23.24,57.67 arc(23.3,57.6) 23.35,57.53 v1(24.2,56.21) 24.35,56.06 arc(24.52,55.95) 24.71,55.91 D2.2
Net-(D3-A): length 13.9
  Top w0.2: D3.2 43.51,68.11 arc(43.32,68.15) 43.15,68.26 v1(43,68.41) 42.75,68.41 arc(42.52,68.46) 42.32,68.59 v1(40.7,70.21) 40.75,70.26 arc(40.79,70.32) 40.8,70.38 SW3.1
  Bottom w0.2: D3.2 43.51,68.11 arc(43.32,68.15) 43.15,68.26 v1(43,68.41) ; v1(40.7,70.21) SW3.1
Net-(D4-A): length 15.8
  Top w0.2: D4.2 61.87,74.11 arc(61.81,74.12) 61.75,74.16 v1(61.7,74.21) 60.72,74.21 arc(59.81,74.39) 59.04,74.91 v1(58,75.94) 59.8,77.74
  Bottom w0.2: v1(58,75.94) SW4.1 ; D4.2 61.87,74.11 arc(61.81,74.12) 61.75,74.16 v1(61.7,74.21)
Net-(D5-A): length 18.9
  Top w0.2: 83.16,68.31 81.49,68.31 arc(81.18,68.32) 80.87,68.35 80.76,68.35 arc(80.74,68.36) 80.73,68.37 v1(80.71,68.38) ; 77.84,72.36 SW5.1 76.71,73.32 v1(75.6,72.21)
  Bottom w0.2: SW5.1 v1(75.6,72.21) 80.6,68.41 arc(80.63,68.39) 80.67,68.38 v1(80.71,68.38) 80.73,68.37 arc(80.74,68.36) 80.76,68.35 80.87,68.35 arc(81.18,68.32) 81.49,68.31 83.16,68.31
Net-(D6-A): length 12.8
  Top w0.2: 102.16,67.76 v1(100.14,67.76) 99.92,68.29 arc(99.7,68.81) 99.49,69.34 v1(99.25,69.92) 97.8,71.37
  Bottom w0.2: v1(100.14,67.76) 100.17,67.79 arc(100.19,67.8) 100.22,67.81 102.21,67.81 ; v1(99.25,69.92) 96.18,72.99
Net-(D7-A): length 15.7
  Top w0.2: v1(2.61,44.9) 2.61,41.8 ; v1(5.2,52.11) 6.11,52.11 arc(6.16,52.1) 6.2,52.07 6.23,52.04 arc(6.44,52.11) 6.66,52.14
  Bottom w0.2: 1.27,43.57 v1(2.61,44.9) 3.49,47.55 arc(4.02,49.09) 4.6,50.6 v1(5.2,52.11) 6.11,52.11 arc(6.16,52.1) 6.2,52.07 6.23,52.04 arc(6.44,52.11) 6.66,52.14
Net-(D8-A): length 18.9
  Top w0.2: D8.2 24.68,52.01 arc(24.61,52) 24.55,51.96 v1(24.5,51.91) ; v1(20,45.21) 20,44.24 arc(20.18,43.34) 20.69,42.58 SW8.1
  Bottom w0.2: D8.2 24.68,52.01 arc(24.61,52) 24.55,51.96 v1(24.5,51.91) 21.94,48.16 arc(21.28,47.18) 20.64,46.2 v1(20,45.21) SW8.1
Net-(D9-A): length 17.7
  Top w0.2: D9.2 43.9,64.11 arc(43.79,64.09) 43.71,64.03 v1(43.63,63.95) ; v1(39,57.41) 40.5,54.13
  Bottom w0.2: D9.2 43.9,64.11 arc(43.79,64.09) 43.71,64.03 v1(43.63,63.95) 43.63,63.89 arc(43.61,63.83) 43.58,63.78 43.56,63.76 arc(43.5,63.7) 43.45,63.62 v1(39,57.41) SW9.1
Net-(D10-A): length 18.9
  Top w0.2: v1(62,70.31) 64.21,70.31 ; v1(58.23,63.06) 58.23,62.16 arc(58.4,61.33) 58.87,60.63 SW10.1
  Bottom w0.2: 64.21,70.31 v1(62,70.31) 61.13,68.72 arc(60.28,67.12) 59.45,65.5 v1(58.23,63.06) 58.12,62.95 arc(58.03,62.82) 58,62.67 SW10.1
Net-(D11-A): length 19.5
  Top w0.2: v1(77.03,59.89) 77.03,57.35 arc(77.26,56.19) 77.91,55.21 ; v1(80.71,64.08) 80.98,64.34 arc(81.27,64.54) 81.62,64.61 D11.2
  Bottom w0.2: 77,56.37 77,59.84 arc(77,59.86) 77.01,59.88 v1(77.03,59.89) 77.03,60.14 arc(77.07,60.37) 77.2,60.57 v1(80.71,64.08) 80.98,64.34 arc(81.27,64.54) 81.62,64.61 D11.2
Net-(D12-A): length 20.2
  Top w0.2: SW12.1 96.66,54.09 arc(96.17,54.82) 96,55.68 v1(96,56.61) ; v1(100.1,63.71) D12.2 ; v1(100.1,63.71) 100.44,63.51 arc(100.31,63.54) 100.2,63.61 v1(100.1,63.71)
  Bottom w0.2: D12.2 100.44,63.51 arc(100.31,63.54) 100.2,63.61 v1(100.1,63.71) v1(96,56.61) SW12.1
Net-(D13-A): length 19.3
  Top w0.2: D13.2 5.54,34.41 arc(5.34,34.37) 5.17,34.26 v1(5.02,34.11) ; v1(2.6,26.01) 2.6,22.67
  Bottom w0.2: SW13.1 v1(2.6,26.01) 3.05,27.39 arc(3.48,28.78) 3.89,30.17 v1(5.02,34.11) 5.17,34.26 arc(5.34,34.37) 5.54,34.41 D13.2
Net-(D14-A): length 19.6
  Top w0.2: v1(21.7,26.11) 21.7,22.57 ; v1(24.07,34.23) 24.21,34.37 arc(24.36,34.47) 24.54,34.51 D14.2
  Bottom w0.2: SW14.1 v1(21.7,26.11) 22.76,29.84 arc(23.19,31.31) 23.62,32.77 v1(24.07,34.23) 24.21,34.37 arc(24.36,34.47) 24.54,34.51 D14.2
Net-(D15-A): length 19.3
  Top w0.2: v1(43,46.21) 43.2,46.41 arc(43.42,46.56) 43.68,46.61 D15.2 ; v1(39,37.91) 40.22,36.69 arc(40.61,36.1) 40.75,35.42
  Bottom w0.2: D15.2 43.68,46.61 arc(43.42,46.56) 43.2,46.41 v1(43,46.21) 42.17,44.41 arc(41.33,42.62) 40.46,40.84 v1(39,37.91) SW15.1
Net-(D16-A): length 18.9
  Top w0.2: v1(62.1,51.61) 62.84,52.35 arc(63.24,52.62) 63.71,52.71 ; v1(58,45.16) 58,43.77 arc(58.23,42.59) 58.9,41.59
  Bottom w0.2: SW16.1 v1(58,45.16) 58.5,45.98 arc(59,46.8) 59.52,47.62 v1(62.1,51.61) 62.84,52.35 arc(63.24,52.62) 63.71,52.71
Net-(D17-A): length 20.6
  Top w0.2: v1(78,39.31) SW17.1 ; v1(80.7,46.41) 81.15,46.86 arc(81.65,47.19) 82.24,47.31 D17.2
  Bottom w0.2: SW17.1 77,37.6 arc(77.13,38.26) 77.5,38.81 v1(78,39.31) 78.66,41.03 arc(79.31,42.74) 79.96,44.46 v1(80.7,46.41) 81.15,46.86 arc(81.65,47.19) 82.24,47.31 D17.2
Net-(D18-A): length 21.7
  Top w0.2: SW18.1 96.66,35.09 arc(96.17,35.82) 96,36.68 v1(96,37.61) ; v1(99.7,45.71) 99.8,45.81 arc(99.91,45.88) 100.04,45.91 v1(99.7,45.71) ; v1(99.7,45.71) D18.2
  Bottom w0.2: SW18.1 v1(96,37.61) 96.8,39.35 arc(97.6,41.09) 98.39,42.84 v1(99.7,45.71) 99.8,45.81 arc(99.91,45.88) 100.04,45.91 D18.2
Net-(D19-A): length 18.3
  Top w0.2: v1(72.2,28.01) 72.6,28.41 arc(73.04,28.71) 73.57,28.81 D19.2 ; v1(69.4,20.51) 69.4,17.74
  Bottom w0.2: D19.2 73.57,28.81 arc(73.04,28.71) 72.6,28.41 v1(72.2,28.01) 71.36,25.84 arc(70.69,24.07) 70.04,22.29 v1(69.4,20.51) SW19.1
Net-(D20-A): length 20.2
  Top w0.2: D20.2 94.78,26.27 arc(94.67,26.25) 94.58,26.19 v1(94.5,26.11) ; SW20.1 89.16,19.09 arc(89.07,19.52) 88.83,19.88 v1(88.5,20.21)
  Bottom w0.2: D20.2 v1(94.5,26.11) 88.64,20.25 arc(88.6,20.22) 88.55,20.21 v1(88.5,20.21) SW20.1
Net-(D21-A): length 18.9
  Top w0.2: v1(116.14,18.99) D21.2 ; v1(109.3,13.41) 108.38,12.49 arc(107.9,11.77) 107.73,10.93
  Bottom w0.2: D21.2 v1(116.14,18.99) 111.14,14.79 arc(110.54,14.31) 109.93,13.85 v1(109.3,13.41) SW21.1
Net-(J1-Pin_1): length 84.7
  Top w0.4: v1(125.5,62.69) J2.1 ; 104.31,83.01 105.18,82.14 arc(105.53,81.9) 105.95,81.82 v1(106.4,81.82) ; J1.1 123.89,60.27 124.33,59.83 arc(124.81,59.51) 125.38,59.39 131.16,59.39 arc(131.73,59.51) 132.22,59.83 v1(132.65,60.27)
  Bottom w0.4: J1.1 123.47,63.23 arc(124.06,62.83) 124.75,62.69 v1(125.5,62.69) ; v1(132.65,60.27) 131.31,61.61 ; 131.11,61.69 132.16,61.69 arc(133.23,61.91) 134.14,62.51 134.26,62.63 arc(134.95,63.67) 135.19,64.9 135.19,83.97 arc(135.04,84.72) 134.62,85.35 arc(133.99,85.77) 133.24,85.92 120.54,85.92 arc(120.53,85.92) 120.53,85.92 arc(120.53,85.92) 120.53,85.92 117.63,85.92 arc(115.55,85.51) 113.78,84.33 112.41,82.95 arc(110.77,81.85) 108.84,81.47 107,81.47 arc(106.77,81.52) 106.58,81.64 v1(106.4,81.82) 106.03,82.19 arc(105.82,82.5) 105.75,82.86

## Copper pours and planes (outline as drawn; the poured copper is in the pictures)
(no net) on Top, Bottom: -1,94.19 137,94.19 137,-1.31 -1,-1.31

Small or netless copper shapes (teardrops, artwork), in the pictures only: 277 on Top, 281 on Bottom

## Text on the board
B.Silkscreen: Copyright (c) 2024 Ergonaut Keyboards / Licensed under CERN-OHL-P v2 | Ergonaut One v1.3 / by yumagulovrn
F.Silkscreen: Copyright (c) 2024 Ergonaut Keyboards / Licensed under CERN-OHL-P v2 | Ergonaut One v1.3 / by yumagulovrn
